# Altium PCB board.PcbDoc (part 2 of 2)
Units mm, origin at the board's own origin, x right, y up, seen from the top; angles counter-clockwise.
Board outline 102.8 x 86.9 mm, 4 copper layers (Top Layer, Mid Layer 1, Mid Layer 2, Bottom Layer), stack 1.57 mm thick; 235 components, 176 nets, 672 pads, 184 vias.
Unrouted connection lines stored in the file: 1.
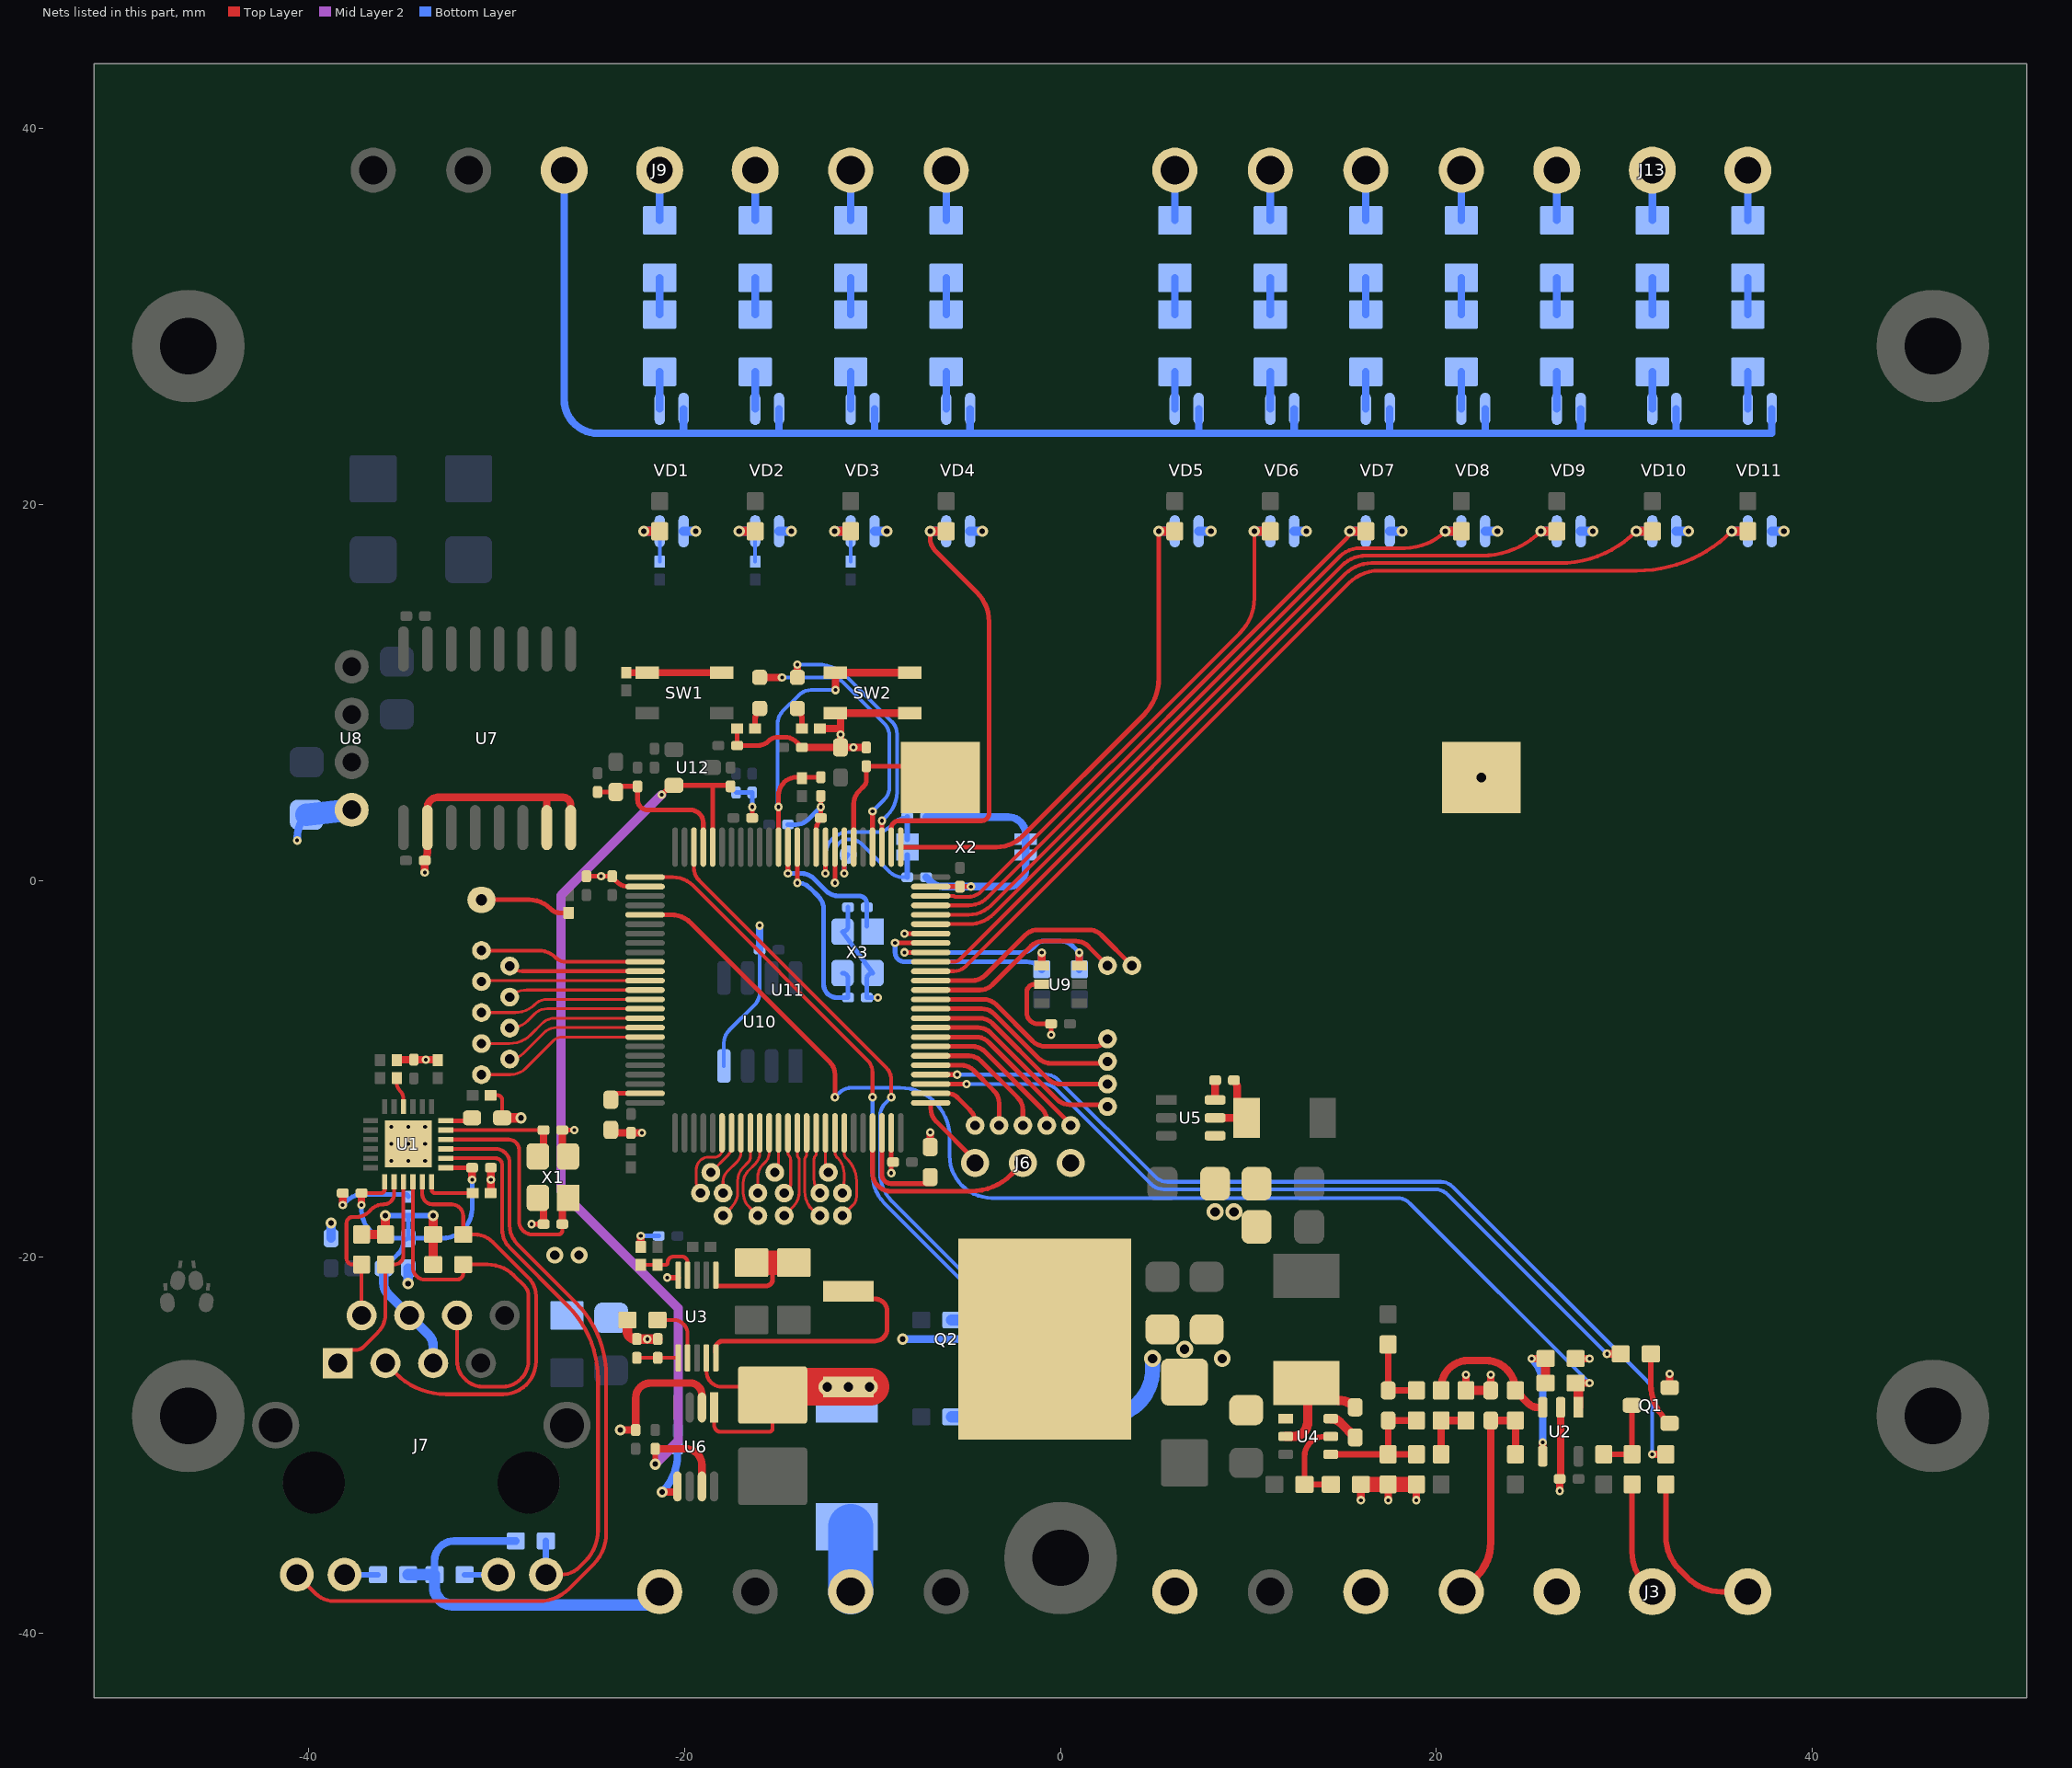
[diagram p4: the nets of this part, all layers, seen from the top]

## Via types
v1: diameter 0.45, hole 0.2, Top Layer to Bottom Layer, tented both sides, 116 vias
v2: diameter 0.6, hole 0.3, Top Layer to Bottom Layer, tented both sides, 46 vias
v3: diameter 0.9, hole 0.5, Top Layer to Bottom Layer, tented both sides, 22 vias

## Nets (pads, with @x,y where several pads share a name; then routed paths per layer and width w, separated by ;. In a path a pad name is that pad's centre, name@x,y a point inside that pad or via, vN(x,y) a via of type N, cw(c..) or ccw(c..) an arc to the next point about the centre after c; other vN are vias at no path point) (continued)
GND: B1.2 C1.1 C2.1 C3.1 C4.1 C5.1 C6.1 C7.1 C8.1 C9.1 C10.1 C11.1 C12.1 C15.1 C16.1 C17.1 C19.1 C20.1 C21.1 C22.1 C23.1 C24.1 C25.1 C26.1 C27.1 C28.1 C30.1 C31.2 C32.1 C33.1 C34.1 C35.1 C36.1 C38.1 C41.1 C42.1 C43.1 C44.1 C45.1 C46.1 C47.1 C50.1 C52.1 C53.1 C54.1 C55.1 C56.1 C57.1 C58.1 D3.1 D4.2 J1.2 J2.2 J3.1 J4.2 J6.3 J8.2 L5.1 Q1.2 R1.1 R2.1 R6.1 R10.2 R14.1 R17.2 R18.2 R21.2 R25.1 R31.2 R34.2 R36.1 R37.1 R39.2 R40.1 R42.2 R43.2 R44.2 R45.2 SW2.3 SW2.4 U1.25 U2.2 U3.5 U4.1 U5.4 U6.2 U7.2 U7.7 U7.8 U8.1 U9.5 U10.4 U11.10 U11.27 U11.74 U11.94 U11.99 VD1.3 VD2.3 VD3.3 VD4.3 VD5.3 VD6.3 VD7.3 VD8.3 VD9.3 VD10.3 VD11.3 X1.2 X1.4 X2.2 X2.3 X3.2 X3.4 | length 178
  Top Layer w0.2: R2.1@-30.324,-11.4 -29.955,-11.396 cw(c-29.949,-11.644) -29.7,-11.644 C12.1@-29.7,-12.6
  Top Layer w0.25: v1(-28.135,-18.25) C3.1@-27.5,-18.25 ; C2.1@-26.5,-13.25 v1(-25.865,-13.25) ; C36.1@-25.219,0.25 v1(-24.435,0.25) C46.1@-23.85,0.25 -23.8,0.25 ccw(c-23.54,0.25) -23.724,0.066 -23.632,-0.025 ccw(c-22.968,0.64) U11.27@-22.97,-0.3 ; U11.27@-22.996,-0.3 U11.27@-22.97,-0.3 ; R44.2@-17.202,8.1 C11.1@-17.202,7.2 -16.1,7.2 ; C44.1@-16.4,3.35 v1(-16.4,3.935) ; -16.099,7.2 ccw(c-16.099,8.005) -15.529,7.436 cw(c-15.016,6.922) -15.016,7.649 -14.688,7.649 cw(c-14.688,6.709) -14.023,7.373 L5.1@-13.75,7.1 ; U11.10@-13,1.8 -13,2.696 cw(c-12.146,2.696) -12.75,3.3 C45.1@-12.75,3.35 v1(-12.75,3.935) C54.1@-12.75,4.519 ; v1(-9,-15.535) U11.74@-9,-13.4 ; v1(-8.3,-2.8) U11.94@-6.9,-2.8 ; U11.99@-6.9,-0.3 C41.1@-5.35,-0.3 v1(-4.765,-0.3) ; U9.5@-1,-5.5 -1.387,-5.5 ccw(c-1.387,-5.913) -1.8,-5.913 -1.8,-7 ccw(c-1.2,-7) -1.2,-7.6 C34.1@-0.5,-7.6 v1(-0.5,-8.185) ; U11.27@-22.97,-0.3 ccw(c-22.968,0.64) -22.968,-0.3 U11.27@-22.1,-0.3 U11.27@-22.97,-0.3
  Top Layer w0.3: v1(-20.921,-21.091) U3.5@-20.336,-21.091
  Top Layer w0.4: v1(-38.18,-17.235) C17.1@-38.18,-16.6 ; R6.1@-35.3,-9.5 C15.1@-34.4,-9.5 v1(-33.765,-9.5) R1.1@-33.13,-9.5 ; C25.1@-33.83,1.153 ccw(c-34.205,1.528) -33.675,1.528 U7.2@-33.675,2.838 -33.675,3.892 cw(c-33.122,3.892) -33.122,4.445 -27.325,4.445 ; v1(-33.82,0.453) C25.1@-33.82,1.088 ; R25.1@-30.3,-16.6 v1(-30.3,-15.885) C16.1@-30.3,-15.25 ; X1.2@-27.8,-16.85 cw(c-28.524,-17.574) -27.5,-17.574 C3.1@-27.5,-18.25 ; U7.7@-27.325,2.838 -27.325,4.445 ; C2.1@-26.5,-13.25 -26.5,-13.926 ccw(c-25.476,-13.926) X1.4@-26.2,-14.65 ; U7.8@-26.055,2.838 -26.055,4.033 ccw(c-26.467,4.033) -26.467,4.445 -27.325,4.445 ; C52.1@-23.919,-13.4 C43.1@-22.848,-13.4 v1(-22.263,-13.4) ; v2(-23.414,-29.2) C27.1@-22.6,-29.2 -22.6,-27.5 cw(c-21.8,-27.5) -21.8,-26.7 -19.7,-26.7 cw(c-19.7,-27.325) -19.075,-27.325 U6.2@-19.075,-28 ; R14.1@-22.326,-19.464 v1(-22.326,-18.88) ; L5.1@-13.75,7.1 C55.1@-11.7,7.1 ; R43.2@-12.798,8.1 -11.7,8.1 ; SW2.3@-11.975,8.925 SW2.3@-11.7,8.925 ; C33.1@-10.331,7.1 v1(-11.015,7.1) C55.1@-11.7,7.1 ; SW2.4@-8.025,8.925 SW2.3@-11.7,8.925 ; C50.1@-6.931,-14.15 v1(-6.931,-13.365) ; v1(15.978,-32.929) R21.2@15.978,-32.094 ; v1(17.427,-32.929) R34.2@17.427,-32.094 ; v1(18.927,-32.929) R31.2@18.927,-32.094 ; R10.2@21.564,-27.093 v1(21.564,-26.258) ; C1.1@22.882,-27.093 v1(22.882,-26.258) ; v1(26.55,-32.435) C8.1@26.55,-31.8 ; C8.1@26.6,-31.8 U2.2@26.6,-27.993 ; R17.2@27.4,-25.4 v1(28.135,-25.4) ; Q1.2@32.4,-26.943 v1(32.4,-26.208) ; C55.1@-11.7,7.1 v1(-11.7,7.785) -11.7,8.1 ; -11.7,8.1 SW2.3@-11.7,8.925
  Top Layer w0.5: C12.1@-29.7,-12.6 v2(-28.7,-12.6) ; R18.2@-23.037,-23.348 -23.037,-23.958 ccw(c-22.63,-23.958) -22.63,-24.364 C5.1@-22.537,-24.364 v1(-21.981,-24.364) C4.1@-21.425,-24.364 ; R10.2@21.564,-27.093 C1.1@22.882,-27.093
  Top Layer w0.8: R21.2@15.978,-32.094 R34.2@17.427,-32.094 R31.2@18.927,-32.094
  Bottom Layer w0.2: U10.4@-17.905,-9.84 -17.905,-8.617 cw(c-16.965,-8.617) -17.63,-7.953 -16.275,-6.598 ccw(c-16.94,-5.933) -16,-5.933 C35.1@-16,-3.658
  Bottom Layer w0.25: v1(-38.18,-17.235) -37.964,-17.019 cw(c-37.126,-17.858) -37.126,-16.672 -34.828,-16.672 cw(c-34.828,-16.8) C20.1@-34.7,-16.8 ; v1(-22.326,-18.88) C31.2@-21.375,-18.88 ; C56.1@-17.254,4.698 -17.253,4.7 C57.1@-16.4,4.7 v1(-16.4,3.935) ; C58.1@-14.5,3 -14.074,3 ccw(c-14.074,3.94) -13.409,3.275 v1(-12.75,3.935) ; C47.1@-11.3,-1.4 -11.3,-2.4 cw(c-11.6,-2.4) X3.2@-11.6,-2.7 X3.4@-10,-4.9 ccw(c-10,-5.2) -10.3,-5.2 C53.1@-10.3,-6.2 v1(-9.715,-6.2)
  Bottom Layer w0.4: v1(-40.6,2.153) -40.6,2.311 cw(c-38.893,2.311) C28.1@-40.1,3.518 ; R37.1@-33.3,-36.895 -33.3,-36.155 cw(c-32.245,-36.155) -32.245,-35.1 R36.1@-28.975,-35.1 ; C35.1@-16,-3.658 v1(-16,-2.373) ; v2(-8.4,-24.364) -3.347,-24.364 ccw(c-3.347,-23.817) -2.8,-23.817 C24.1@-2.8,-22.1 ; C32.1@-7.15,0.2 -6.925,-0.025 ccw(c-6.261,0.64) -6.261,-0.3 v1(-4.765,-0.3) -2.79,-0.3 ccw(c-2.79,0.64) -1.85,0.64 X2.3@-1.85,1.375 X2.2@-1.85,2.225 -1.85,2.46 ccw(c-2.79,2.46) -2.79,3.4 C38.1@-7.15,3.4
  Bottom Layer w0.5: C6.1@-38.8,-19 v2(-38.8,-18.19) ; v2(-34.7,-21.41) C10.1@-34.7,-20.6 ; VD1.3@-20.05,18.595 v2(-19.398,18.595) ; VD2.3@-14.97,18.595 v2(-14.318,18.595) ; VD3.3@-9.89,18.595 v2(-9.238,18.595) ; VD4.3@-4.81,18.595 v2(-4.158,18.595) ; VD5.3@7.35,18.595 v2(8.002,18.595) ; VD6.3@12.43,18.595 v2(13.082,18.595) ; VD7.3@17.51,18.595 v2(18.162,18.595) ; VD8.3@22.59,18.595 v2(23.242,18.595) ; VD9.3@27.67,18.595 v2(28.322,18.595) ; VD10.3@32.75,18.595 v2(33.402,18.595) ; VD11.3@37.83,18.595 v2(38.482,18.595)
  Bottom Layer w0.6: R40.1@-34.7,-36.895 R37.1@-33.3,-36.895 -33.3,-37.56 ccw(c-32.36,-37.56) -32.36,-38.5 -22.02,-38.5 ccw(c-22.02,-37.8) J1.2@-21.32,-37.8
  Bottom Layer w0.8: C26.1@-2.8,-27.2 R42.2@-2.8,-28.5 2.36,-28.5 ccw(c2.36,-25.96) 4.9,-25.96 v3(4.9,-25.4)
  Bottom Layer w1.2: C28.1@-40.1,3.518 U8.1@-37.7,3.778
  Bottom Layer w2.4: J8.2@-11.16,-37.8 D4.2@-11.16,-34.343
  other v1: -35.6,-14.887 -34.7,-14.887 -33.8,-14.887 -35.6,-13.987 -34.7,-13.987 -33.8,-13.987 -35.6,-13.087 -34.7,-13.087 -33.8,-13.087
  other v3: 8.6,-25.4 6.6,-24.9 -26.9,-19.9 -25.61,-19.9 8.225,-17.6 9.225,-17.6 22.385,5.5
IR_LED: R19.2 U2.1 U11.30 | length 65.2
  Top Layer w0.25: U11.30@-22.1,-1.8 -20.72,-1.8 cw(c-20.72,-3.298) -19.661,-2.239 -12.275,-9.625 cw(c-12.94,-10.289) -12,-10.289 v1(-12,-11.5)
  Top Layer w0.4: R19.2@27.4,-26.7 v1(28.135,-26.7)
  Top Layer w0.5: R19.2@27.4,-26.7 cw(c27.4,-26.85) 27.55,-26.85 U2.1@27.55,-27.993
  Bottom Layer w0.2: v1(-12,-11.5) -11.775,-11.275 cw(c-11.111,-11.94) -11.111,-11 -8.538,-11 cw(c-8.538,-13.638) -5.9,-13.638 -5.9,-14.608 ccw(c-3.649,-14.608) -3.649,-16.859 17.905,-16.859 cw(c17.905,-17.799) 18.569,-17.134 v1(28.135,-26.7)
LED0: D5.1 U11.3 | length 13.9
  Top Layer w0.25: U11.3@-9.5,1.8 v1(-9.5,3.2)
  Top Layer w0.4: D5.1@-14,10.825 v1(-14,11.509)
  Bottom Layer w0.2: v1(-14,11.509) -12.936,11.509 cw(c-12.936,9.274) -11.355,10.855 -8.975,8.475 cw(c-9.64,7.811) -8.7,7.811 -8.7,4.717 cw(c-10.43,4.717) -9.207,3.493 v1(-9.5,3.2)
LED1: D6.1 U11.4 | length 14.6
  Top Layer w0.25: U11.4@-10,1.8 v1(-10,3.7)
  Top Layer w0.4: D6.1@-16,10.825 v1(-14.815,10.825)
  Bottom Layer w0.2: v1(-14.815,10.825) -12.214,10.825 cw(c-12.214,9.885) -11.55,10.55 -9.375,8.375 cw(c-10.04,7.711) -9.1,7.711 -9.1,4.989 cw(c-10.04,4.989) -9.375,4.325 v1(-10,3.7)
LGND: J9.3 VD1.2 VD2.2 VD3.2 VD4.2 VD5.2 VD6.2 VD7.2 VD8.2 VD9.2 VD10.2 VD11.2 | length 91.8
  Bottom Layer w0.4: J9.3@-26.4,37.8 -26.4,25.6 ccw(c-24.6,25.6) -24.6,23.8 -20.05,23.8 ; VD1.2@-20.05,25.105 -20.05,23.8 ; -14.97,23.8 VD2.2@-14.97,25.105 ; -9.89,23.8 VD3.2@-9.89,25.105 ; -4.81,23.8 VD4.2@-4.81,25.105 ; 7.35,23.8 VD5.2@7.35,25.105 ; 12.43,23.8 VD6.2@12.43,25.105 ; 17.51,23.8 VD7.2@17.51,25.105 ; 22.59,23.8 VD8.2@22.59,25.105 ; 27.67,23.8 VD9.2@27.67,25.105 ; 32.75,23.8 VD10.2@32.75,25.105 ; VD11.2@37.83,25.105 37.83,23.8 -20.05,23.8
NetB1_1: B1.1 C33.2 U11.6 | length 8.7
  Top Layer w0.25: U11.6@-11,1.8 -11,4.082 cw(c-9.99,4.082) -10.704,4.796 -10.45,5.05 ccw(c-10.737,5.337) -10.331,5.337 C33.2@-10.331,6.1 -6.985,6.1 B1.1@-6.385,5.5
NetC1_2: C1.2 J2.1 R7.2 R8.1 | length 11.6
  Top Layer w0.4: J2.1@22.138,-36.982 ccw(c20.342,-35.186) 22.882,-35.186 C1.2@22.882,-28.693 R8.1@24.2,-28.693 R7.2@24.2,-30.493
NetC2_2: C2.2 U1.5 X1.3 | length 6.7
  Top Layer w0.2: U1.5@-32.7,-13.25 C2.2@-27.5,-13.25
  Top Layer w0.4: X1.3@-27.8,-14.65 ccw(c-28.524,-13.926) -27.5,-13.926 C2.2@-27.5,-13.25
NetC3_2: C3.2 U1.4 X1.1 | length 12.7
  Top Layer w0.2: U1.4@-32.7,-13.75 -29.35,-13.75 cw(c-29.35,-14.3) -28.8,-14.3 -28.8,-18.094 ccw(c-28.094,-18.094) -28.094,-18.8 -26.703,-18.8 ccw(c-26.703,-18.597) -26.5,-18.597 C3.2@-26.5,-18.25
  Top Layer w0.4: C3.2@-26.5,-18.25 -26.5,-17.574 cw(c-25.476,-17.574) X1.1@-26.2,-16.85
NetC4_2: C4.2 C5.2 U3.6 | length 2.4
  Top Layer w0.2: C5.2@-22.537,-25.364 C4.2@-21.425,-25.364 U3.6@-20.336,-25.364 U3.6@-20.336,-25.564
NetC10_2: C10.2 C16.2 C17.2 C20.2 J7.4 J7.5 L1.1 R23.2 R24.2 R27.2 R29.2 U1.1 U1.19 | length 30.5
  Top Layer w0.2: C17.2@-37.18,-16.6 -36.135,-16.6 ccw(c-36.135,-16.415) -35.95,-16.415 U1.19@-35.95,-16
  Top Layer w0.25: U1.1@-32.735,-15.25 U1.1@-32.7,-15.25 C16.2@-31.3,-15.25
  Top Layer w0.4: v1(-37.18,-17.235) C17.2@-37.18,-16.6 ; v1(-31.3,-15.885) C16.2@-31.3,-15.25
  Top Layer w0.5: R24.2@-37.18,-18.8 R23.2@-35.91,-18.8 v2(-35.91,-17.8) ; R29.2@-33.37,-20.4 R27.2@-33.37,-18.8 v2(-33.37,-17.8)
  Bottom Layer w0.25: v1(-37.18,-17.235) -37.18,-17.515 ccw(c-35.695,-17.515) -35.695,-19 C10.2@-34.958,-19 ; L1.1@-36,-20.6 -35.216,-19.816 ccw(c-35.843,-19.188) -34.958,-19.119 C10.2@-34.7,-19 ; C20.2@-34.64,-17.8 ccw(c-34.495,-17.945) -34.7,-17.945 C10.2@-34.7,-19 ; v1(-31.3,-15.885) -31.3,-17.417 cw(c-32.883,-17.417) -32.883,-19 C10.2@-34.7,-19
  Bottom Layer w0.3: v2(-35.91,-17.8) C20.2@-34.7,-17.8 -34.64,-17.8 v2(-33.37,-17.8)
  Bottom Layer w0.5: L1.1@-36,-20.6 -36,-21.377 ccw(c-35.111,-21.377) -35.74,-22.005 -33.63,-24.115 cw(c-34.259,-24.743) -33.37,-24.743 J7.5@-33.37,-25.645
NetC12_2: C12.2 U1.6 | length 1.5
  Top Layer w0.25: U1.6@-32.7,-12.75 -31.45,-12.75 ccw(c-31.45,-12.6) C12.2@-31.3,-12.6
NetC13_1: C13.1 U5.6 | length 1.1
  Top Layer w0.4: U5.6@8.225,-11.65 C13.1@8.225,-10.6
NetC13_2: C13.2 L3.1 U5.5 | length 3.9
  Top Layer w0.4: U5.5@8.225,-12.6 L3.1@9.897,-12.6 cw(c11.095,-11.402) 9.401,-11.402 9.401,-11.024 ccw(c8.801,-11.024) C13.2@9.225,-10.6
NetC14_1: C14.1 U4.6 | length 1.7
  Top Layer w0.5: U4.6@14.377,-28.593 cw(c14.377,-29.317) 14.889,-28.805 C14.1@15.677,-29.593
NetC14_2: C14.2 L2.1 U4.2 | length 4.7
  Top Layer w0.5: U4.2@11.977,-29.543 12.387,-29.543 ccw(c12.387,-28.785) 13.146,-28.785 13.146,-26.734 L2.1@13.077,-26.7 ; L2.1@14.772,-27.618 cw(c14.772,-28.899) C14.2@15.677,-27.993
NetC18_1: C18.1 R31.1 R33.2 R34.1 U4.4 | length 7.6
  Top Layer w0.35: U4.4@14.377,-30.493 R34.1@17.177,-30.493 ; R31.1@18.927,-30.493 R34.1@17.427,-30.493 C18.1@17.427,-28.693 R33.2@18.927,-28.693
NetC18_2: C18.2 R32.2 R33.1 | length 4.2
  Top Layer w0.35: R32.2@17.427,-24.4 C18.2@17.427,-27.093 R33.1@18.927,-27.093
NetC32_2: C32.2 U11.8 X2.4 | length 9.7
  Top Layer w0.25: v1(-12,-0.1) U11.8@-12,1.8
  Bottom Layer w0.2: v1(-12,-0.1) -12,1.5 cw(c-11.3,1.5) -11.3,2.2 -11.189,2.2 cw(c-11.189,1.26) -10.525,1.925 -9.075,0.475 ccw(c-8.411,1.14) -8.411,0.2 C32.2@-8.15,0.2
  Bottom Layer w0.3: C32.2@-8.15,0.2 X2.4@-8.15,1.375
NetC38_2: C38.2 U11.9 X2.1 | length 9
  Top Layer w0.25: v1(-12.5,0.4) U11.9@-12.5,1.8
  Bottom Layer w0.2: v1(-12.5,0.4) -12.5,1.367 cw(c-11.267,1.367) -11.267,2.6 -9.755,2.6 ccw(c-9.755,3.54) -9.091,2.875 -8.882,3.083 ; -8.875,3.075 cw(c-8.211,2.41) C38.2@-8.211,3.35 ; C38.2@-8.411,3.35 C38.2@-8.15,3.35
  Bottom Layer w0.3: X2.1@-8.15,2.225 C38.2@-8.15,3.4
NetC47_2: C47.2 U11.13 X3.1 | length 7.4
  Top Layer w0.25: v1(-14.5,0.4) U11.13@-14.5,1.8
  Bottom Layer w0.25: v1(-14.5,0.4) -13.789,0.4 cw(c-13.789,-0.54) -13.125,0.125 -12.475,-0.525 ; -12.475,-0.525 ccw(c-11.811,0.14) -11.811,-0.8 -10.712,-0.8 cw(c-10.712,-1.212) -10.3,-1.212 C47.2@-10.3,-1.4 X3.1@-10.3,-2.4
NetC49_2: C49.2 C51.2 L4.2 U11.22 | length 8.5
  Top Layer w0.25: L4.2@-24.625,4.733 C51.2@-23.65,4.733 -23.65,4.769 -23.387,5.033 C49.2@-22.5,5.033 -22.5,4.325 ccw(c-21.95,4.325) -21.95,3.775 -19.696,3.775 cw(c-19.696,3.079) -19,3.079 U11.22@-19,1.8
NetC50_2: C50.2 U11.73 | length 5.2
  Top Layer w0.25: U11.73@-9.5,-13.4 -9.5,-15.6 ccw(c-9,-15.6) -9,-16.1 C50.2@-6.8,-16.1
NetC52_2: C52.2 U11.49 | length 2.2
  Top Layer w0.25: C52.2@-23.919,-11.635 -23.919,-11.3 U11.49@-22.1,-11.3
NetC53_2: C53.2 U11.12 X3.3 | length 11.2
  Top Layer w0.25: v1(-14,-0.1) U11.12@-14,1.8
  Bottom Layer w0.25: v1(-14,-0.1) -13.989,-0.1 cw(c-13.989,-1.04) -13.325,-0.375 -12.875,-0.825 cw(c-13.54,-1.489) -12.6,-1.489 -12.6,-5.5 ccw(c-11.9,-5.5) -11.9,-6.2 C53.2@-11.3,-6.2 -11.3,-5.2 ccw(c-11.6,-5.2) X3.3@-11.6,-4.9
NetD4_1: D4.1 Q2.3 R35.1 U3.9 U6.1 | length 16.3
  Top Layer w0.2: U3.9@-18.836,-25.364 -18.836,-26.075 ccw(c-18.007,-26.075) -18.007,-26.904 R35.1@-15.312,-26.904 ; U6.1@-18.425,-28 -18.425,-28.944 ccw(c-18.069,-28.944) -18.069,-29.3 -15.5,-29.3 ccw(c-15.5,-29.112) -15.312,-29.112 R35.1@-15.312,-27.34
  Top Layer w2: R35.1@-15.312,-27.34 cw(c-14.876,-27.34) -14.876,-26.904 v3(-11.287,-26.904) Q2.3@-10.1,-26.904
  other v3: -12.412,-26.904 -10.162,-26.904
NetD5_2: D5.2 R43.1 | length 1.1
  Top Layer w0.3: D5.2@-14,9.175 cw(c-14.603,8.572) -13.75,8.572 R43.1@-13.75,8.1
NetD6_2: D6.2 R44.1 | length 1.1
  Top Layer w0.3: R44.1@-16.25,8.1 -16.25,8.572 cw(c-15.397,8.572) D6.2@-16,9.175
NetJ3_2: J3.2 R4.2 | length 6
  Top Layer w0.3: R4.2@30.4,-32.094 30.4,-35.668 ccw(c32.94,-35.668) 31.144,-37.464 J3.2@31.48,-37.8
NetJ3_3: J3.3 R3.2 | length 8.7
  Top Layer w0.3: R3.2@32.2,-32.094 32.2,-34.848 ccw(c34.74,-34.848) 32.944,-36.644 33.356,-37.056 ccw(c35.152,-35.26) 35.152,-37.8 J3.3@36.56,-37.8
NetJ7_1: J7.1 R23.1 U1.21 | length 10.7
  Top Layer w0.2: J7.1@-37.751,-24.946 -37.498,-24.946 ccw(c-37.498,-24.336) -37.068,-24.768 -36.3,-24 ccw(c-37.242,-23.058) -35.91,-23.058 R23.1@-35.91,-20.4 -35.44,-20.4 ccw(c-35.44,-19.91) -34.95,-19.91 U1.21@-34.95,-16
NetJ7_2: J7.2 R24.1 U1.20 | length 9.4
  Top Layer w0.2: J7.2@-37.18,-23.105 R24.1@-37.18,-20.4 -37.65,-20.4 cw(c-37.65,-20.07) -37.98,-20.07 -37.98,-18.2 cw(c-37.65,-18.2) -37.65,-17.87 -37.451,-17.87 ccw(c-37.451,-16.949) -36.8,-17.6 -36.683,-17.483 cw(c-36,-18.166) -36,-17.2 ccw(c-36,-16.65) -35.45,-16.65 U1.20@-35.45,-16
NetJ7_3: J7.3 R27.1 U1.23 | length 22.9
  Top Layer w0.2: J7.3@-35.91,-25.645 -35.36,-26.195 ccw(c-32.693,-23.529) -32.693,-27.3 -29.655,-27.3 ccw(c-29.655,-25.545) -27.9,-25.545 -27.9,-22.079 ccw(c-29.297,-22.079) -28.309,-21.091 -30.191,-19.209 ccw(c-31.179,-20.197) -31.179,-18.8 R27.1@-31.77,-18.8 -31.77,-17.83 ccw(c-32.4,-17.83) -32.4,-17.2 -33.39,-17.2 cw(c-33.39,-16.641) -33.95,-16.641 U1.23@-33.95,-16
NetJ7_6: J7.6 R29.1 U1.22 | length 23.7
  Top Layer w0.2: U1.22@-34.45,-16 -34.45,-20.55 ccw(c-33.8,-20.55) -33.8,-21.2 -32.1,-21.2 ccw(c-32.1,-20.87) -31.77,-20.87 R29.1@-31.77,-20.4 -30.49,-20.4 cw(c-30.49,-22.426) -29.057,-20.993 ; J7.6@-32.1,-23.105 -32.1,-25.503 ccw(c-30.703,-25.503) -30.703,-26.9 -29.697,-26.9 ccw(c-29.697,-25.503) -28.3,-25.503 -28.3,-22.078 ccw(c-29.089,-22.078) -28.531,-21.52 -29.057,-20.993
NetJ7_9: J7.9 U1.3 | length 44.2
  Top Layer w0.2: J7.9@-40.625,-36.895 -39.629,-37.891 ccw(c-38.641,-36.903) -38.641,-38.3 -27.746,-38.3 ccw(c-27.746,-36.016) -26.131,-37.631 -24.858,-36.358 ccw(c-26.532,-34.685) -24.165,-34.685 -24.165,-26.319 ccw(c-29.678,-26.319) -25.78,-22.42 -28.891,-19.309 cw(c-27.903,-18.321) -29.3,-18.321 -29.3,-15 ccw(c-30.05,-15) -29.838,-14.28 ccw(c-30.05,-15) -30.05,-14.25 U1.3@-32.7,-14.25
NetJ7_10: J7.10 R40.2 | length 1.8
  Bottom Layer w0.3: J7.10@-38.085,-36.895 R40.2@-36.3,-36.895
NetJ7_11: J7.11 R37.2 | length 1.8
  Bottom Layer w0.3: R37.2@-31.7,-36.895 J7.11@-29.915,-36.895
NetJ7_12: J7.12 R36.2 U1.2 | length 30.4
  Top Layer w0.2: U1.2@-32.7,-14.75 -30.05,-14.75 cw(c-30.05,-15.1) -29.879,-14.794 cw(c-30.05,-15.1) -29.7,-15.1 -29.7,-18.521 ccw(c-28.303,-18.521) -29.291,-19.509 -26.215,-22.585 cw(c-30.113,-26.484) -24.6,-26.484 -24.6,-34.52 cw(c-26.967,-34.52) -25.293,-36.193 -25.586,-36.486 cw(c-26.574,-35.498) -26.574,-36.895 J7.12@-27.375,-36.895
  Bottom Layer w0.35: J7.12@-27.375,-36.895 R36.2@-27.375,-35.1
NetJ9_1: J9.1 R49.1 | length 2.7
  Bottom Layer w0.4: R49.1@-16.24,35.124 J9.1@-16.24,37.8
NetJ9_2: J9.2 R48.1 | length 2.7
  Bottom Layer w0.4: R48.1@-21.32,35.124 J9.2@-21.32,37.8
NetJ10_1: J10.1 R50.1 | length 2.7
  Bottom Layer w0.4: R50.1@-11.16,35.124 J10.1@-11.16,37.8
NetJ10_2: J10.2 R51.1 | length 2.7
  Bottom Layer w0.4: R51.1@-6.08,35.124 J10.2@-6.08,37.8
NetJ11_1: J11.1 R52.1 | length 2.7
  Bottom Layer w0.4: R52.1@6.08,35.124 J11.1@6.08,37.8
NetJ11_2: J11.2 R53.1 | length 2.7
  Bottom Layer w0.4: R53.1@11.16,35.124 J11.2@11.16,37.8
NetJ12_1: J12.1 R54.1 | length 2.7
  Bottom Layer w0.4: R54.1@16.24,35.124 J12.1@16.24,37.8
NetJ12_2: J12.2 R55.1 | length 2.7
  Bottom Layer w0.4: R55.1@21.32,35.124 J12.2@21.32,37.8
NetJ13_1: J13.1 R58.1 | length 2.7
  Bottom Layer w0.4: R58.1@36.56,35.124 J13.1@36.56,37.8
NetJ13_2: J13.2 R57.1 | length 2.7
  Bottom Layer w0.4: R57.1@31.48,35.124 J13.2@31.48,37.8
NetJ13_3: J13.3 R56.1 | length 2.7
  Bottom Layer w0.4: R56.1@26.4,35.124 J13.3@26.4,37.8